# Altium PCB Scaffold.PcbDoc (part 3 of 3)
Units mm, origin at the board's own origin, x right, y up, seen from the top; angles counter-clockwise.
Board outline 195 x 150 mm, 4 copper layers (Top Layer, GND, Power, Bottom Layer), stack 1.429 mm thick; 332 components, 196 nets, 1081 pads, 626 vias.
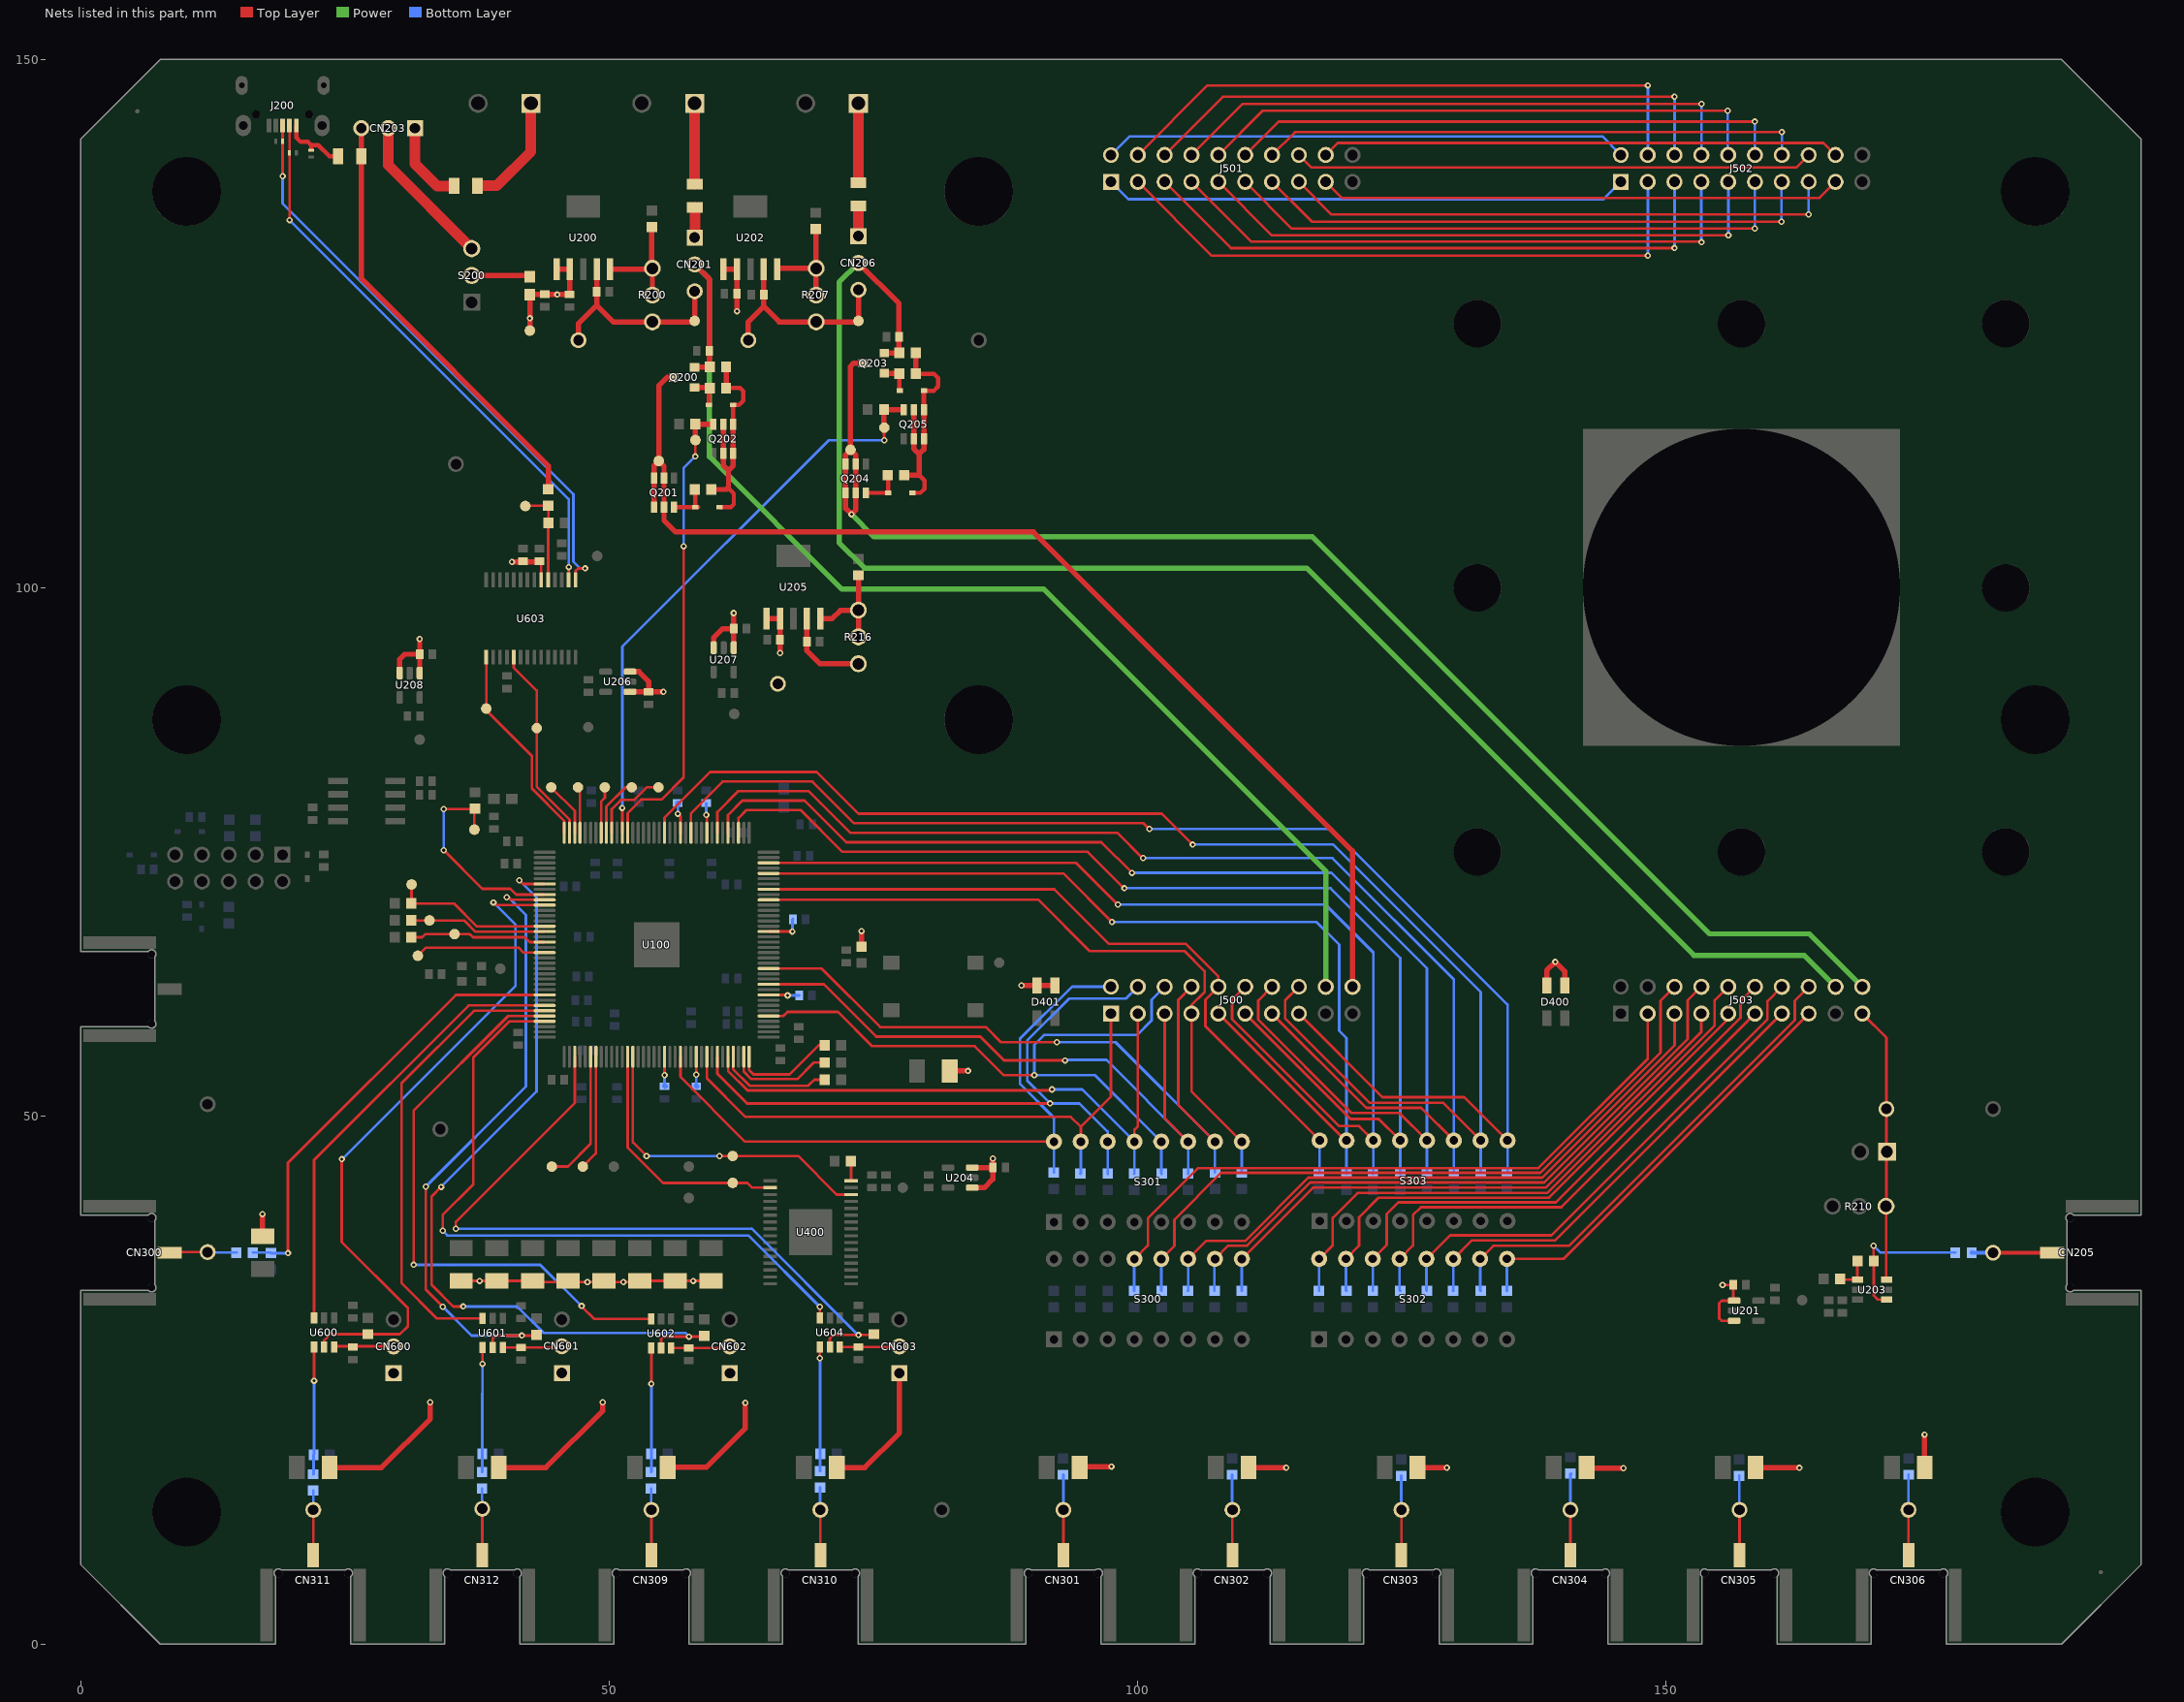
[diagram p5: the nets of this part, all layers, seen from the top]

## Via types
v1: diameter 0.6, hole 0.3, Top Layer to Bottom Layer, tented both sides, 610 vias
v2: diameter 0.66, hole 0.33, Top Layer to Bottom Layer, tented top, 16 vias

## Nets (pads, with @x,y where several pads share a name; then routed paths per layer and width w, separated by ;. In a path a pad name is that pad's centre, name@x,y a point inside that pad or via, vN(x,y) a via of type N, cw(c..) or ccw(c..) an arc to the next point about the centre after c; other vN are vias at no path point) (continued)
NetC201_2: C201.2 CN201.3 R200.1 THP204.1 TP200.1 U200.4 | length 20.1
  Top Layer w0.5: THP204.1@47.1,123.425 47.1,124.994 48.828,126.722 ; U200.4@48.83,130.15 48.828,130.148 C201.2@48.828,128 48.828,126.722 ; CN201.3@58.1,128.06 58.1,125.4 57.86,125.16 R200.1@54.1,125.16 50.39,125.16 48.828,126.722
NetC209_2: C209.2 CN206.3 R207.1 THP205.1 TP205.1 U202.4 | length 19.9
  Top Layer w0.5: THP205.1@63.175,123.425 63.175,125.16 64.645,126.63 ; U202.4@64.645,130.15 64.645,126.63 ; CN206.3@73.6,128.2 TP205.1@73.6,125.25 73.51,125.16 R207.1@69.6,125.16 66.115,125.16 64.645,126.63
NetC601_2: C601.2 CN600.2 U600.6 | length 5.6
  Top Layer w0.25: U600.6@24.025,28.175 CN600.2@29.6,28.175
NetC603_2: C603.2 CN601.2 U601.6 | length 5.5
  Top Layer w0.25: U601.6@39.925,28.075 CN601.2@45.415,28.075
NetC608_2: C608.2 CN602.2 U602.6 | length 5.5
  Top Layer w0.25: U602.6@55.825,28.025 U602.6@55.875,28.025 CN602.2@61.275,28.025
NetC611_2: C611.2 CN603.2 U604.6 | length 5.6
  Top Layer w0.25: U604.6@71.85,28.125 CN603.2@77.425,28.125
NetCN200_1: CN200.1 F202.1 | length 7.7
  Top Layer w1: CN200.1@58.1,145.85 58.1,138.225 F202.1@58.125,138.2
NetCN201_1: CN201.1 F202.2 | length 2.9
  Top Layer w1: CN201.1@58.1,133.14 58.125,133.165 F202.2@58.125,136
NetCN202_1: CN202.1 F200.1 | length 11
  Top Layer w1: F200.1@37.55,138.025 37.575,138.05 39.375,138.05 42.6,141.275 CN202.1@42.6,145.85
NetCN203_1: CN203.1 F200.2 | length 8
  Top Layer w1: CN203.1@31.63,143.5 31.63,140.12 33.725,138.025 F200.2@35.35,138.025
NetCN203_2: CN203.2 S200.3 | length 14.7
  Top Layer w1: CN203.2@29.09,143.5 29.09,140.01 S200.3@37,132.1
NetCN204_1: CN204.1 F203.1 | length 7.5
  Top Layer w1: F203.1@73.6,138.325 CN204.1@73.6,145.85
NetCN205_1: CN205.S1 R206.2 THP200.1 | length 7.8
  Top Layer w0.387: THP200.1@181,37.05 CN205.S1@186.589,37.05
  Bottom Layer w0.25: R206.2@178.975,37.15 R206.2@179.075,37.05
  Bottom Layer w0.387: R206.2@178.975,37.05 179.075,37.05 THP200.1@181,37.05
NetCN206_1: CN206.1 F203.2 | length 2.8
  Top Layer w1: CN206.1@73.6,133.28 F203.2@73.6,136.125
NetCN207_1: CN207.1 J503.19 R210.1 THP201.1 U203.3 | length 26.3
  Top Layer w0.25: J503.19@168.63,59.68 170.91,57.4 THP201.1@170.91,50.65 R210.1@170.91,41.475 ; U203.3@170.91,34.5 170.875,34.535 R210.1@170.875,41.44 R210.1@170.91,41.475 ; R210.1@170.91,41.365 R210.1@170.91,41.475
NetCN300_1: CN300.S1 R300.2 THP300.1 | length 6.4
  Top Layer w0.25: CN300.S1@8.411,37.05 8.461,37.1 THP300.1@12,37.1
  Bottom Layer w0.25: THP300.1@12,37.1 12.05,37.05 R300.2@14.725,37.05
NetCN301_1: CN301.S1 R302.2 THP301.1 | length 7.6
  Top Layer w0.25: CN301.S1@93,8.411 THP301.1@93,12.7
  Bottom Layer w0.25: R302.2@92.975,16.025 93,16 THP301.1@93,12.7
NetCN302_1: CN302.S1 R303.2 THP302.1 | length 7.6
  Top Layer w0.25: CN302.S1@109,8.411 THP302.1@109,12.7
  Bottom Layer w0.25: R303.2@108.975,16.025 108.975,12.725 THP302.1@109,12.7
NetCN303_1: CN303.S1 R310.2 THP303.1 | length 7.5
  Top Layer w0.25: CN303.S1@125,8.411 THP303.1@125,12.7
  Bottom Layer w0.25: R310.2@124.975,15.925 124.975,12.725 THP303.1@125,12.7
NetCN304_1: CN304.S1 R311.2 THP304.1 | length 7.9
  Top Layer w0.25: CN304.S1@141,8.411 THP304.1@141,12.7
  Bottom Layer w0.25: THP304.1@141,12.6 THP304.1@141.1,12.7 ; THP304.1@141,12.7 R311.2@141,16.1 ; R311.2@141.075,16.125 R311.2@141.1,16.1
NetCN305_1: CN305.S1 R314.2 THP305.1 | length 7.5
  Top Layer w0.25: CN305.S1@157,8.411 THP305.1@157,12.7
  Bottom Layer w0.25: THP305.1@156.975,12.725 R314.2@156.975,15.925 ; THP305.1@157.075,12.725 THP305.1@157.1,12.7
NetCN306_1: CN306.S1 R315.2 THP306.1 | length 7.8
  Top Layer w0.25: CN306.S1@173,8.411 THP306.1@173,12.6
  Bottom Layer w0.25: THP306.1@172.9,12.7 173,12.6 THP306.1@173,12.7 R315.2@173,16.025
NetCN309_1: CN309.S1 R336.2 THP309.1 | length 6.3
  Top Layer w0.25: CN309.S1@54,8.411 THP309.1@54,12.7
  Bottom Layer w0.25: R336.2@53.975,14.725 53.975,12.725 THP309.1@54,12.7
NetCN310_1: CN310.S1 R337.2 THP310.1 | length 6.4
  Top Layer w0.25: CN310.S1@70,8.411 THP310.1@70,12.7
  Bottom Layer w0.25: R337.2@69.975,14.825 69.975,12.725 THP310.1@70,12.7
NetCN311_1: CN311.S1 R344.2 THP311.1 | length 6.1
  Top Layer w0.25: CN311.S1@22,8.411 THP311.1@22,12.7
  Bottom Layer w0.25: THP311.1@22,12.7 R344.2@22,14.525
NetCN312_1: CN312.S1 R345.2 THP312.1 | length 6.3
  Top Layer w0.25: CN312.S1@38,8.411 THP312.1@38,12.8
  Bottom Layer w0.25: R345.2@37.975,14.725 37.975,12.825 THP312.1@38,12.8
NetD200_1: D200.1 D201.2 Q202.1 Q202.2 Q202.5 Q202.6 R201.1 R203.1 R204.1 | length 23.2
  Top Layer w0.4: D201.2@60.443,107.625 61.525,107.625 61.8,107.9 61.8,108.9 61.25,109.45 ; R203.1@61.075,118.9 62.4,118.9 62.7,118.6 62.7,117.7 62.3,117.3 D200.1@61.743,117.3 Q202.1@61.743,115.482
  Top Layer w0.5: R204.1@59.675,109.3 61.1,109.3 61.25,109.45 ; Q202.2@60.8,115.475 Q202.5@60.8,112.725 60.8,111.6 61.3,111.1 ; R203.1@61.075,118.9 R201.1@61.075,120.9 ; 61.3,109.5 61.3,111.1 ; Q202.1@61.743,115.482 Q202.1@61.75,115.475 Q202.6@61.75,112.725 61.75,111.55 61.3,111.1
NetD200_2: D200.2 Q200.1 R203.2 | length 3.1
  Top Layer w0.4: D200.2@59.457,117.3 R203.2@59.457,118.832
  Top Layer w0.5: Q200.1@58.1,118.95 59.475,118.95 R203.2@59.525,118.9 R203.2@59.457,118.832
NetD201_1: D201.1 Q201.3 R204.2 | length 3.9
  Top Layer w0.4: Q201.3@56.15,107.625 D201.1@58.157,107.625 ; R204.2@58.157,109.268 D201.1@58.157,107.625 ; D201.1@58.432,107.625 D201.1@58.157,107.625
NetD202_C: D202.C F201.2 J200.1 | length 6.1
  Top Layer w0.4: J200.1@20.4,143.75 20.4,142.6 20.8,142.2 21.5,142.2 21.8,141.9 ; 21.8,141.6 21.8,141.9 ; F201.2@24.35,140.85 23.525,140.85 22.475,141.9 21.8,141.9
NetD205_1: D205.1 D206.2 Q205.1 Q205.2 Q205.5 Q205.6 R209.1 R212.1 R213.1 | length 23.3
  Top Layer w0.4: D206.2@78.693,108.975 79.475,108.975 79.85,109.35 79.85,110.15 79.35,110.65 ; R212.1@79.025,120.25 80.75,120.25 81.15,119.85 81.15,119.05 80.75,118.65 D205.1@79.793,118.65
  Top Layer w0.5: R213.1@77.925,110.65 79.35,110.65 ; Q205.2@78.85,116.825 Q205.5@78.85,114.075 78.85,113.15 79.35,112.65 ; R212.1@79.025,120.25 R209.1@79.025,122.25 ; 79.35,110.75 79.35,112.65 ; D205.1@79.793,118.65 79.793,116.832 Q205.1@79.8,116.825 Q205.6@79.8,114.075 79.8,113.1 79.35,112.65
NetD205_2: D205.2 Q203.1 R212.2 | length 3
  Top Layer w0.4: D205.2@77.475,118.682 R212.2@77.475,120.25
  Top Layer w0.5: Q203.1@76.05,120.3 77.425,120.3 R212.2@77.475,120.25
NetD206_1: D206.1 Q204.3 R213.2 | length 3.9
  Top Layer w0.4: Q204.3@74.3,108.975 D206.1@76.407,108.975 ; R213.2@76.407,110.618 D206.1@76.407,108.975 ; D206.1@76.482,108.975 D206.1@76.407,108.975
  Top Layer w0.5: R213.2@76.375,110.65 R213.2@76.407,110.618
NetJ500_1: J500.1 R309.2 S301.15 U100.64 | length 55.7
  Top Layer w0.25: U100.64@59.25,55.6 59.25,53.575 62.925,49.9 93.7,49.9 94.65,48.95 ; S301.15@94.65,47.56 94.65,48.95 ; J500.1@97.51,59.68 97.51,51.81 94.65,48.95
  Bottom Layer w0.25: R309.2@94.6,44.525 94.65,44.575 S301.15@94.65,47.56
NetJ500_2: J500.2 R313.2 S301.16 U100.59 | length 64.5
  Top Layer w0.25: U100.59@56.75,55.6 56.75,53.686 62.876,47.56 S301.16@92.11,47.56
  Bottom Layer w0.25: R313.2@92.1,44.625 92.11,44.635 S301.16@92.11,47.56 92.11,49.815 88.894,53.031 88.894,57.294 93.82,62.22 J500.2@97.51,62.22
NetJ500_3: J500.3 R305.2 S301.13 U100.68 | length 58
  Top Layer w0.25: U100.68@61.25,55.6 61.275,55.575 61.275,54.239 63.114,52.4 91.825,52.4 v1(91.925,52.5) ; S301.13@99.73,47.56 99.73,48.705 100.05,49.025 J500.3@100.05,59.68
  Bottom Layer w0.25: v1(91.925,52.5) 94.79,52.5 S301.13@99.73,47.56 99.73,44.555 R305.2@99.7,44.525
NetJ500_4: J500.4 R307.2 S301.14 U100.66 | length 64.2
  Top Layer w0.25: U100.66@60.25,55.6 60.25,53.991 63.066,51.175 v1(91.75,51.175)
  Bottom Layer w0.25: R307.2@97.2,44.525 97.2,47.55 S301.14@97.19,47.56 97.19,48.51 94.525,51.175 v1(91.75,51.175) 89.575,53.35 89.575,57.125 93.55,61.1 98.93,61.1 J500.4@100.05,62.22
NetJ500_5: J500.5 R321.2 S301.11 U100.83 | length 62
  Top Layer w0.25: U100.83@65.1,62.45 70.327,62.45 75.277,57.5 85.136,57.5 87.386,55.25 v1(93.175,55.25) ; J500.5@102.59,59.68 102.59,49.78 S301.11@104.81,47.56
  Bottom Layer w0.25: v1@93.175,55.3 97.07,55.3 S301.11@104.81,47.56 104.81,44.535 R321.2@104.8,44.525
NetJ500_6: J500.6 R323.2 S301.12 U100.77 | length 64.1
  Top Layer w0.25: U100.77@65.1,59.45 66.48,59.45 66.88,59.85 71.654,59.85 74.904,56.6 84.625,56.6 87.375,53.85 v1(90.25,53.85)
  Bottom Layer w0.25: R323.2@102.3,44.525 102.27,44.555 S301.12@102.27,47.56 95.98,53.85 v1(90.25,53.85) 90.25,56.725 91.175,57.65 99.965,57.65 101.355,59.04 101.355,60.985 J500.6@102.59,62.22
NetJ500_7: J500.7 R317.2 S301.9 U100.99 | length 65.6
  Top Layer w0.25: U100.99@65.1,70.45 90.65,70.45 95.5,65.6 104.465,65.6 106.365,63.7 106.365,61.7 105.13,60.465 J500.7@105.13,59.68 105.13,52.32 S301.9@109.89,47.56
  Bottom Layer w0.25: S301.9@109.89,47.56 109.89,44.635 R317.2@109.9,44.625
NetJ500_8: J500.8 R319.2 S301.10 U100.86 | length 68.6
  Top Layer w0.25: U100.86@65.1,63.95 70.1,63.95 75.65,58.4 85.675,58.4 87.1,56.975 v1(92.375,56.975) ; J500.8@105.13,62.22 103.875,60.965 103.875,51.035 S301.10@107.35,47.56
  Bottom Layer w0.25: v1(92.375,56.975) 97.935,56.975 S301.10@107.35,47.56 R319.2@107.35,44.625
NetJ500_9: J500.9 R333.2 S303.15 U100.104 | length 95.9
  Top Layer w0.25: U100.104@65.1,72.95 93,72.95 v1(97.6,68.35) ; J500.9@107.67,59.68 119.68,47.67 S303.15@119.8,47.67
  Bottom Layer w0.25: v1(97.6,68.35) 116.95,68.35 119.1,66.2 119.1,58.05 119.8,57.35 S303.15@119.8,47.67 R333.2@119.8,44.525
NetJ500_10: J500.10 R335.2 S303.16 U100.101 | length 70.1
  Top Layer w0.25: U100.101@65.1,71.45 92.15,71.45 97.325,66.275 104.6,66.275 107.67,63.205 J500.10@107.67,62.22 106.44,60.99 106.44,58.485 117.255,47.67 S303.16@117.26,47.67 S303.16@117.77,47.67
  Bottom Layer w0.25: R335.2@117.2,44.625 117.26,44.685 S303.16@117.26,47.67
NetJ500_11: J500.11 R327.2 S303.13 U100.111 | length 110.2
  Top Layer w0.25: U100.111@62.25,76.8 62.25,78.211 62.985,78.946 68.136,78.946 72.082,75 95.3,75 98.75,71.55 v1(98.775,71.55) ; J500.11@110.21,59.68 120.19,49.7 122.85,49.7 S303.13@124.88,47.67
  Bottom Layer w0.25: v1(98.775,71.55) 118.275,71.55 124.88,64.945 S303.13@124.88,47.67 124.88,44.545 R327.2@124.9,44.525
NetJ500_12: J500.12 R331.2 S303.14 U100.106 | length 103.4
  Top Layer w0.25: U100.106@65.1,73.95 94.2,73.95 98.15,70 v1(98.175,70) ; J500.12@110.21,62.22 108.965,60.975 108.965,59.15 119.09,49.025 120.985,49.025 S303.14@122.34,47.67
  Bottom Layer w0.25: v1(98.175,70) 117.8,70 122.34,65.46 S303.14@122.34,47.67 122.34,44.565 R331.2@122.3,44.525
NetJ500_13: J500.13 R347.2 S303.11 U100.115 | length 120.4
  Top Layer w0.25: U100.115@60.25,76.8 60.25,78.757 62.239,80.746 68.882,80.746 72.828,76.8 73.986,76.8 98.1,76.8 100.55,74.35 v1(100.55,74.4) ; J500.13@112.75,59.68 121.68,50.75 126.88,50.75 S303.11@129.96,47.67
  Bottom Layer w0.25: v1(100.55,74.4) 118.475,74.4 129.96,62.915 S303.11@129.96,47.67 R347.2@129.96,44.625
NetJ500_14: J500.14 R351.2 S303.12 U100.113 | length 118.7
  Top Layer w0.25: U100.113@61.25,76.8 61.25,78.484 62.612,79.846 68.509,79.846 72.455,75.9 96.6,75.9 v1(99.5,73) ; J500.14@112.75,62.22 111.44,60.91 111.44,59.1 120.265,50.275 124.815,50.275 S303.12@127.42,47.67
  Bottom Layer w0.25: v1(99.5,73) 118.375,73 127.42,63.955 S303.12@127.42,47.67 127.42,44.645 R351.2@127.4,44.625
NetJ500_15: J500.15 R341.2 S303.9 U100.120 | length 129.8
  Top Layer w0.25: U100.120@57.75,76.8 57.75,78.636 60.76,81.646 69.255,81.646 73.201,77.7 100.6,77.7 v1(101.15,77.15) ; J500.15@115.29,59.68 123.195,51.775 130.935,51.775 S303.9@135.04,47.67
  Bottom Layer w0.25: v1(101.15,77.15) 118.425,77.15 135.04,60.535 S303.9@135.04,47.67 135.04,44.665 R341.2@135,44.625
NetJ500_16: J500.16 R343.2 S303.10 U100.125 | length 133
  Top Layer w0.25: U100.125@55.25,76.8 55.25,78.234 59.562,82.546 69.654,82.546 73.6,78.6 102.325,78.6 v1(105.25,75.675) ; J500.16@115.29,62.22 113.99,60.92 113.99,59.225 121.965,51.25 128.92,51.25 S303.10@132.5,47.67
  Bottom Layer w0.25: v1@105.25,75.7 118.511,75.7 132.5,61.711 S303.10@132.5,47.67 R343.2@132.5,44.625
NetJ503_3: J503.3 R304.2 S300.13 | length 65.3
  Top Layer w0.25: S300.13@99.73,36.459 101,37.728 101,40.3 105.75,45.05 137.959,45.05 148.31,55.401 J503.3@148.31,59.68
  Bottom Layer w0.25: R304.2@99.7,33.425 99.7,36.428 S300.13@99.73,36.459
NetJ503_5: J503.5 R320.2 S300.11 | length 60.5
  Top Layer w0.25: S300.11@104.81,36.459 106.51,38.158 110.197,38.158 116.189,44.15 138.332,44.15 150.85,56.668 J503.5@150.85,59.68
  Bottom Layer w0.25: R320.2@104.8,33.425 104.81,33.435 S300.11@104.81,36.459
NetJ503_6: J503.6 R322.2 S300.12 | length 66.6
  Top Layer w0.25: S300.12@102.27,36.459 103.5,37.688 103.5,40.167 107.933,44.6 138.146,44.6 149.525,55.979 149.525,60.895 J503.6@150.85,62.22
  Bottom Layer w0.25: S300.12@102.27,36.459 102.27,33.455 R322.2@102.3,33.425
NetJ503_7: J503.7 R316.2 S300.9 | length 57.2
  Top Layer w0.25: S300.9@109.89,36.459 116.632,43.2 138.655,43.2 153.39,57.935 J503.7@153.39,59.68
  Bottom Layer w0.25: S300.9@109.89,36.459 109.89,33.435 R316.2@109.9,33.425
NetJ503_8: J503.8 R318.2 S300.10 | length 61.9
  Top Layer w0.25: S300.10@107.35,36.459 108.6,37.708 110.383,37.708 116.375,43.7 138.518,43.7 152.1,57.282 152.1,60.93 J503.8@153.39,62.22
  Bottom Layer w0.25: R318.2@107.3,33.425 107.3,36.408 S300.10@107.35,36.459
NetJ503_9: J503.9 R332.2 S302.15 | length 50.7
  Top Layer w0.25: S302.15@119.75,36.459 121,37.709 121,40.4 122.85,42.25 138.978,42.25 155.93,59.202 J503.9@155.93,59.68
  Bottom Layer w0.25: S302.15@119.75,36.459 119.75,33.475 R332.2@119.8,33.425
NetJ503_10: J503.10 R334.2 S302.16 | length 55.3
  Top Layer w0.25: S302.16@117.21,36.459 118.5,37.749 118.5,40.35 120.85,42.7 138.791,42.7 154.65,58.559 154.65,60.94 J503.10@155.93,62.22
  Bottom Layer w0.25: R334.2@117.2,33.425 117.21,33.435 S302.16@117.21,36.459
NetJ503_11: J503.11 R326.2 S302.13 | length 48
  Top Layer w0.25: S302.13@124.83,36.459 126.1,37.729 126.1,40.6 126.85,41.35 140.14,41.35 J503.11@158.47,59.68
  Bottom Layer w0.25: S302.13@124.83,36.459 124.83,33.495 R326.2@124.9,33.425
NetJ503_12: J503.12 R330.2 S302.14 | length 52.5
  Top Layer w0.25: S302.14@122.29,36.459 123.6,37.769 123.6,40.7 124.7,41.8 139.625,41.8 157.1,59.275 157.1,60.85 J503.12@158.47,62.22
  Bottom Layer w0.25: S302.14@122.29,36.459 122.3,36.449 R330.2@122.3,33.425
NetJ503_13: J503.13 R346.2 S302.11 | length 43.8
  Top Layer w0.25: S302.11@129.91,36.459 131.651,38.2 139.53,38.2 J503.13@161.01,59.68
  Bottom Layer w0.25: R346.2@129.9,33.425 129.91,33.435 S302.11@129.91,36.459
NetJ503_14: J503.14 R350.2 S302.12 | length 48.4
  Top Layer w0.25: S302.12@127.37,36.459 129.611,38.7 139.198,38.7 159.65,59.152 159.65,60.86 J503.14@161.01,62.22
  Bottom Layer w0.25: S302.12@127.37,36.459 127.37,33.455 R350.2@127.4,33.425
NetJ503_15: J503.15 R340.2 S302.9 | length 41.2
  Top Layer w0.25: S302.9@134.99,36.459 140.329,36.459 J503.15@163.55,59.68
  Bottom Layer w0.25: S302.9@134.99,36.459 134.99,33.435 R340.2@135,33.425
NetJ503_16: J503.16 R342.2 S302.10 | length 45.9
  Top Layer w0.25: S302.10@132.45,36.459 133.691,37.7 140.85,37.7 162.225,59.075 162.225,60.895 J503.16@163.55,62.22
  Bottom Layer w0.25: S302.10@132.45,36.459 132.45,33.475 R342.2@132.5,33.425
NetL200_2: L200.2 S200.2 | length 5.4
  Top Layer w0.5: S200.2@37,129.56 L200.2@42.39,129.56
NetQ202_3: Q202.3 R205.2 TP203.1 U100.132 | length 44.2
  Top Layer w0.25: U100.132@51.75,76.8 51.75,78.65 53.05,79.95 54.975,79.95 57.05,82.025 v1(57.05,103.925) ; v1(58.15,112.425) 58.15,113.95 TP203.1@58.175,113.975
  Top Layer w0.5: TP203.1@58.175,113.975 R205.2@58.175,115.5 58.2,115.475 Q202.3@59.85,115.475
  Bottom Layer w0.25: v1(57.05,103.925) 57.05,111.325 v1(58.15,112.425)
NetQ205_3: Q205.3 R215.2 TP207.1 U100.133 | length 55.3
  Top Layer w0.25: U100.133@51.25,76.8 v1(51.25,79.15) ; TP207.1@76.025,115.175 76.025,113.975 v1(76.05,113.95)
  Top Layer w0.5: TP207.1@76.025,115.175 R215.2@76.025,116.85 76.05,116.825 Q205.3@77.9,116.825
  Bottom Layer w0.25: v1(51.25,79.15) 51.25,94.425 70.775,113.95 v1(76.05,113.95)
NetR102_1: R102.1 TDI100.1 U100.15 | length 15.3
  Top Layer w0.25: R102.1@31.279,70.1 31.304,70.125 31.304,71.85 TDI100.1@31.354,71.9 ; R102.1@31.379,70 31.479,70.1 35.314,70.1 37.464,67.95 U100.15@43.9,67.95
NetR103_1: R103.1 TMS100.1 U100.18 | length 13.5
  Top Layer w0.25: U100.18@43.9,66.45 42.5,66.45 42.05,66.9 37.125,66.9 36.825,67.2 TMS100.1@35.375,67.2 32.6,67.2 32.3,66.9 R103.1@31.479,66.9 ; R103.1@31.479,66.9 31.279,66.7 R103.1@31.279,66.9 R103.1@31.479,66.9
NetR104_1: R104.1 TCK100.1 U100.16 | length 13.2
  Top Layer w0.25: R104.1@31.279,68.3 31.479,68.5 TCK100.1@33,68.5 36.277,68.5 37.352,67.425 43.875,67.425 U100.16@43.9,67.45
NetR110_1: R110.1 U100.69 | length 10.5
  Top Layer w0.25: U100.69@61.75,55.6 61.75,54.4 63.3,52.85 68.85,52.85 69.425,53.425 R110.1@70.204,53.425
NetR111_1: R111.1 U100.71 | length 9.8
  Top Layer w0.25: U100.71@62.75,55.6 62.75,54.2 63.475,53.475 67.825,53.475 69.4,55.05 R111.1@70.204,55.05
NetR112_2: R112.2 U100.72 | length 9.5
  Top Layer w0.25: U100.72@63.25,55.6 63.25,54.336 63.661,53.925 67.075,53.925 69.825,56.675 R112.2@70.204,56.675
NetR200_2: R200.2 R200.3 R202.2 U200.5 | length 10.4
  Top Layer w0.5: U200.5@50.1,130.15 R200.3@54.01,130.15 ; R200.3@54.05,130.19 R202.2@54.05,134.15 ; R200.2@54.1,127.7 R200.3@54.1,130.21
NetR206_1: R206.1 R214.2 U203.1 | length 14.1
  Top Layer w0.25: v1(169.7,37.7) 169.7,36.26 R214.2@169.71,36.25 169.71,32.99 170.1,32.6 U203.1@170.91,32.6
  Bottom Layer w0.25: v1(169.7,37.7) 170.35,37.05 R206.1@177.425,37.05
NetR207_2: R207.2 R207.3 R211.2 U202.5 | length 10
  Top Layer w0.5: U202.5@65.915,130.15 66.005,130.24 R207.3@69.6,130.24 ; R211.2@69.575,133.95 69.6,133.925 R207.3@69.6,130.24 ; R207.2@69.6,127.7 R207.3@69.6,130.24
NetR208_2: R208.2 R214.1 U203.4 | length 3.4
  Top Layer w0.25: R208.2@166.51,34.55 166.56,34.5 U203.4@168.16,34.5 R214.1@168.16,36.25
NetR216_2: R216.2 R216.3 R217.2 U205.5 | length 9.8
  Top Layer w0.5: U205.5@69.99,97.072 71.122,97.072 71.89,97.84 R216.3@73.6,97.84 ; R216.2@73.6,95.34 R216.3@73.6,97.84 ; R217.2@73.6,101.175 R216.3@73.6,97.88 R216.3@73.6,97.84
NetR300_1: R300.1 R301.2 U100.28 | length 42.8
  Top Layer w0.25: v1(19.6,37) 19.6,45.55 35.5,61.45 U100.28@43.9,61.45
  Bottom Layer w0.25: R300.1@16.275,37.05 17.975,37.05 R301.2@18,37.025 18.025,37 v1(19.6,37)
NetR336_1: R336.1 R338.2 U602.4 | length 11.8
  Top Layer w0.25: U602.4@53.925,28.025 54,27.95 v1(54,24.625)
  Bottom Layer w0.25: R336.1@53.975,16.275 54,16.3 R338.2@54,18 v1(54,24.625)
NetR337_1: R337.1 R339.2 U604.4 | length 11.8
  Top Layer w0.25: v1(69.95,27.05) U604.4@69.95,28.125
  Bottom Layer w0.25: v1(69.95,27.05) 69.975,27.025 R337.1@69.975,16.375
NetR344_1: R344.1 R348.2 U600.4 | length 12.1
  Top Layer w0.25: v1(22.075,24.925) U600.4@22.075,28.125
  Bottom Layer w0.25: R344.1@22,16.075 22.025,16.1 R348.2@22.025,17.9 22.075,17.95 v1(22.075,24.925)
NetR345_1: R345.1 R349.2 U601.4 | length 11.8
  Top Layer w0.25: v1(38.025,26.525) U601.4@38.025,28.075
  Bottom Layer w0.25: R345.1@37.975,16.275 38,16.3 R349.2@38,18 38,23.7 38.025,23.725 v1(38.025,26.525)
NetR400_1: R400.1 U400.32 | length 1.9
  Top Layer w0.25: U400.32@72.9,43.85 R400.1@72.9,45.675 ; R400.1@72.9,45.7 R400.1@72.925,45.675
NetR600_1: R600.1 U100.11 U600.5 | length 64.5
  Top Layer w0.25: U600.5@23.025,28.125 23.025,28.75 23.6,29.325 R600.1@27.175,29.325 30.2,29.325 30.95,30.075 30.95,31.8 24.7,38.05 v1(24.7,45.9) ; v1(39.05,70.2) 39.3,69.95 U100.11@43.9,69.95
  Bottom Layer w0.25: v1(24.7,45.9) 24.725,45.9 41.15,62.325 41.15,68.1 v1(39.05,70.2)
NetR601_1: R601.1 U100.10 U601.5 | length 61.6
  Top Layer w0.25: v1(32.65,43.3) 32.65,33.55 34.275,31.925 v1(34.25,31.925) ; U601.5@38.975,28.075 38.975,28.875 39.3,29.2 v1(41.75,29.2) R601.1@43.075,29.2 ; v1(40.3,70.7) 40.45,70.7 40.7,70.45 U100.10@43.9,70.45